# Altium PCB PCB_UDC_PlacaControle_V2.0.PcbDoc (part 1 of 7)
Units mm, origin at the board's own origin, x right, y up, seen from the top; angles counter-clockwise.
Board outline 161.76 x 100.25 mm, 6 copper layers (Top Layer, GND, Signal 1, Signal 2, VCC, Bottom Layer); 548 components, 515 nets, 2193 pads, 1225 vias.
Unrouted connection lines stored in the file: 7.
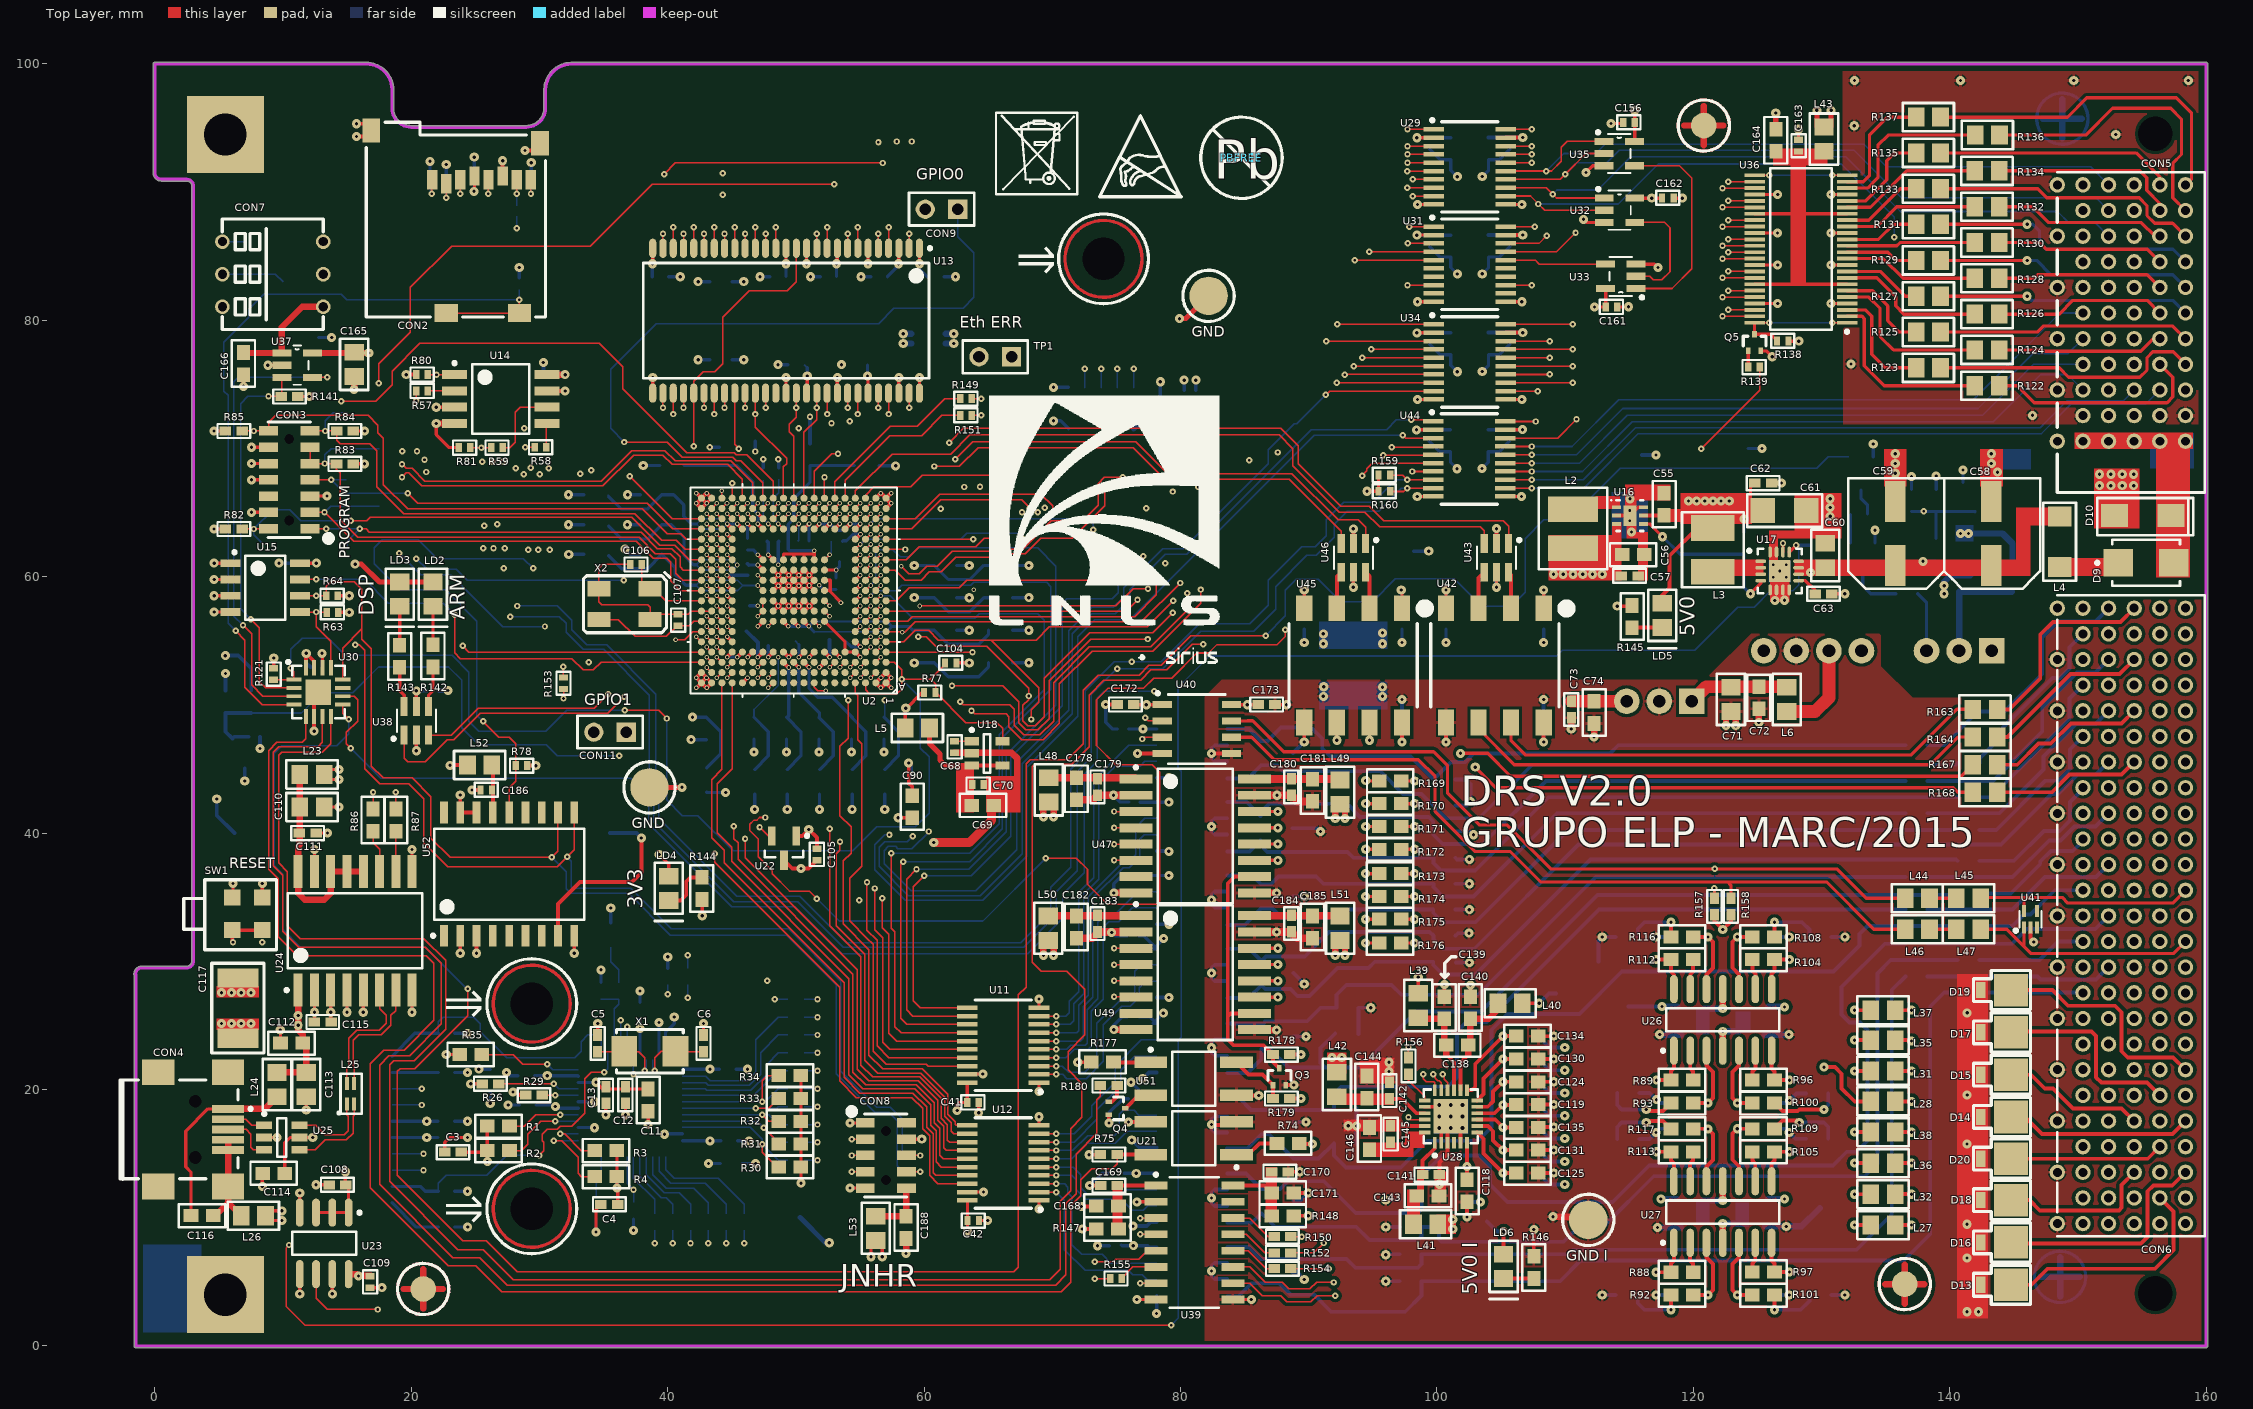
[diagram p0: Top Layer view]
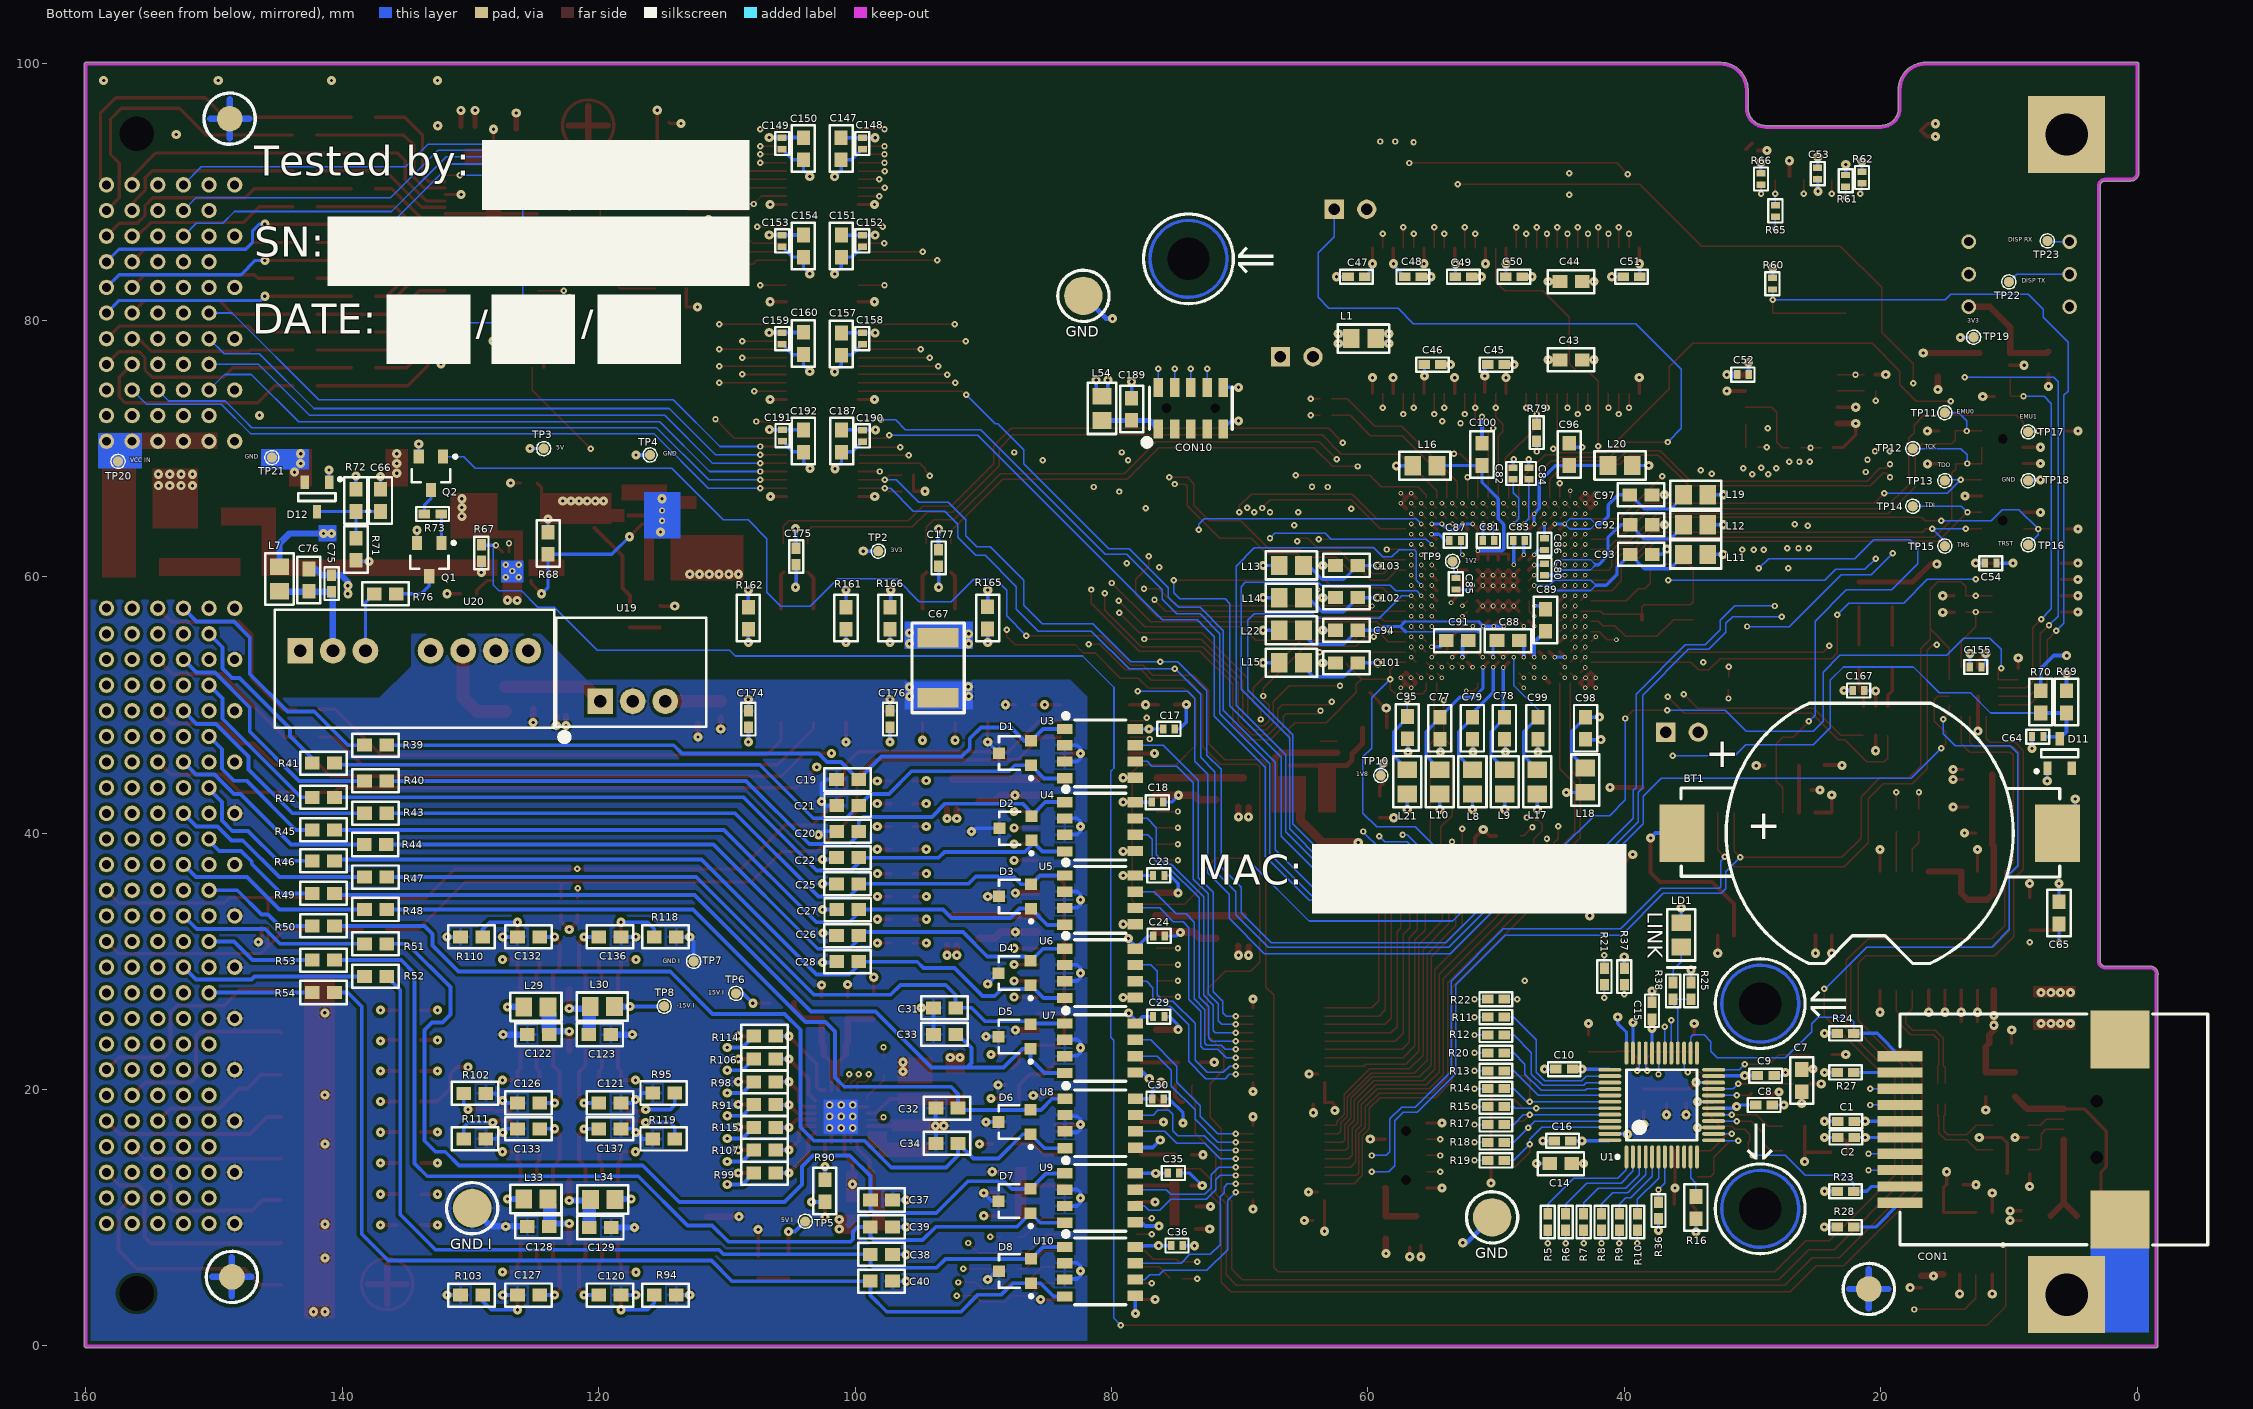
[diagram p1: Bottom Layer view, seen from below]
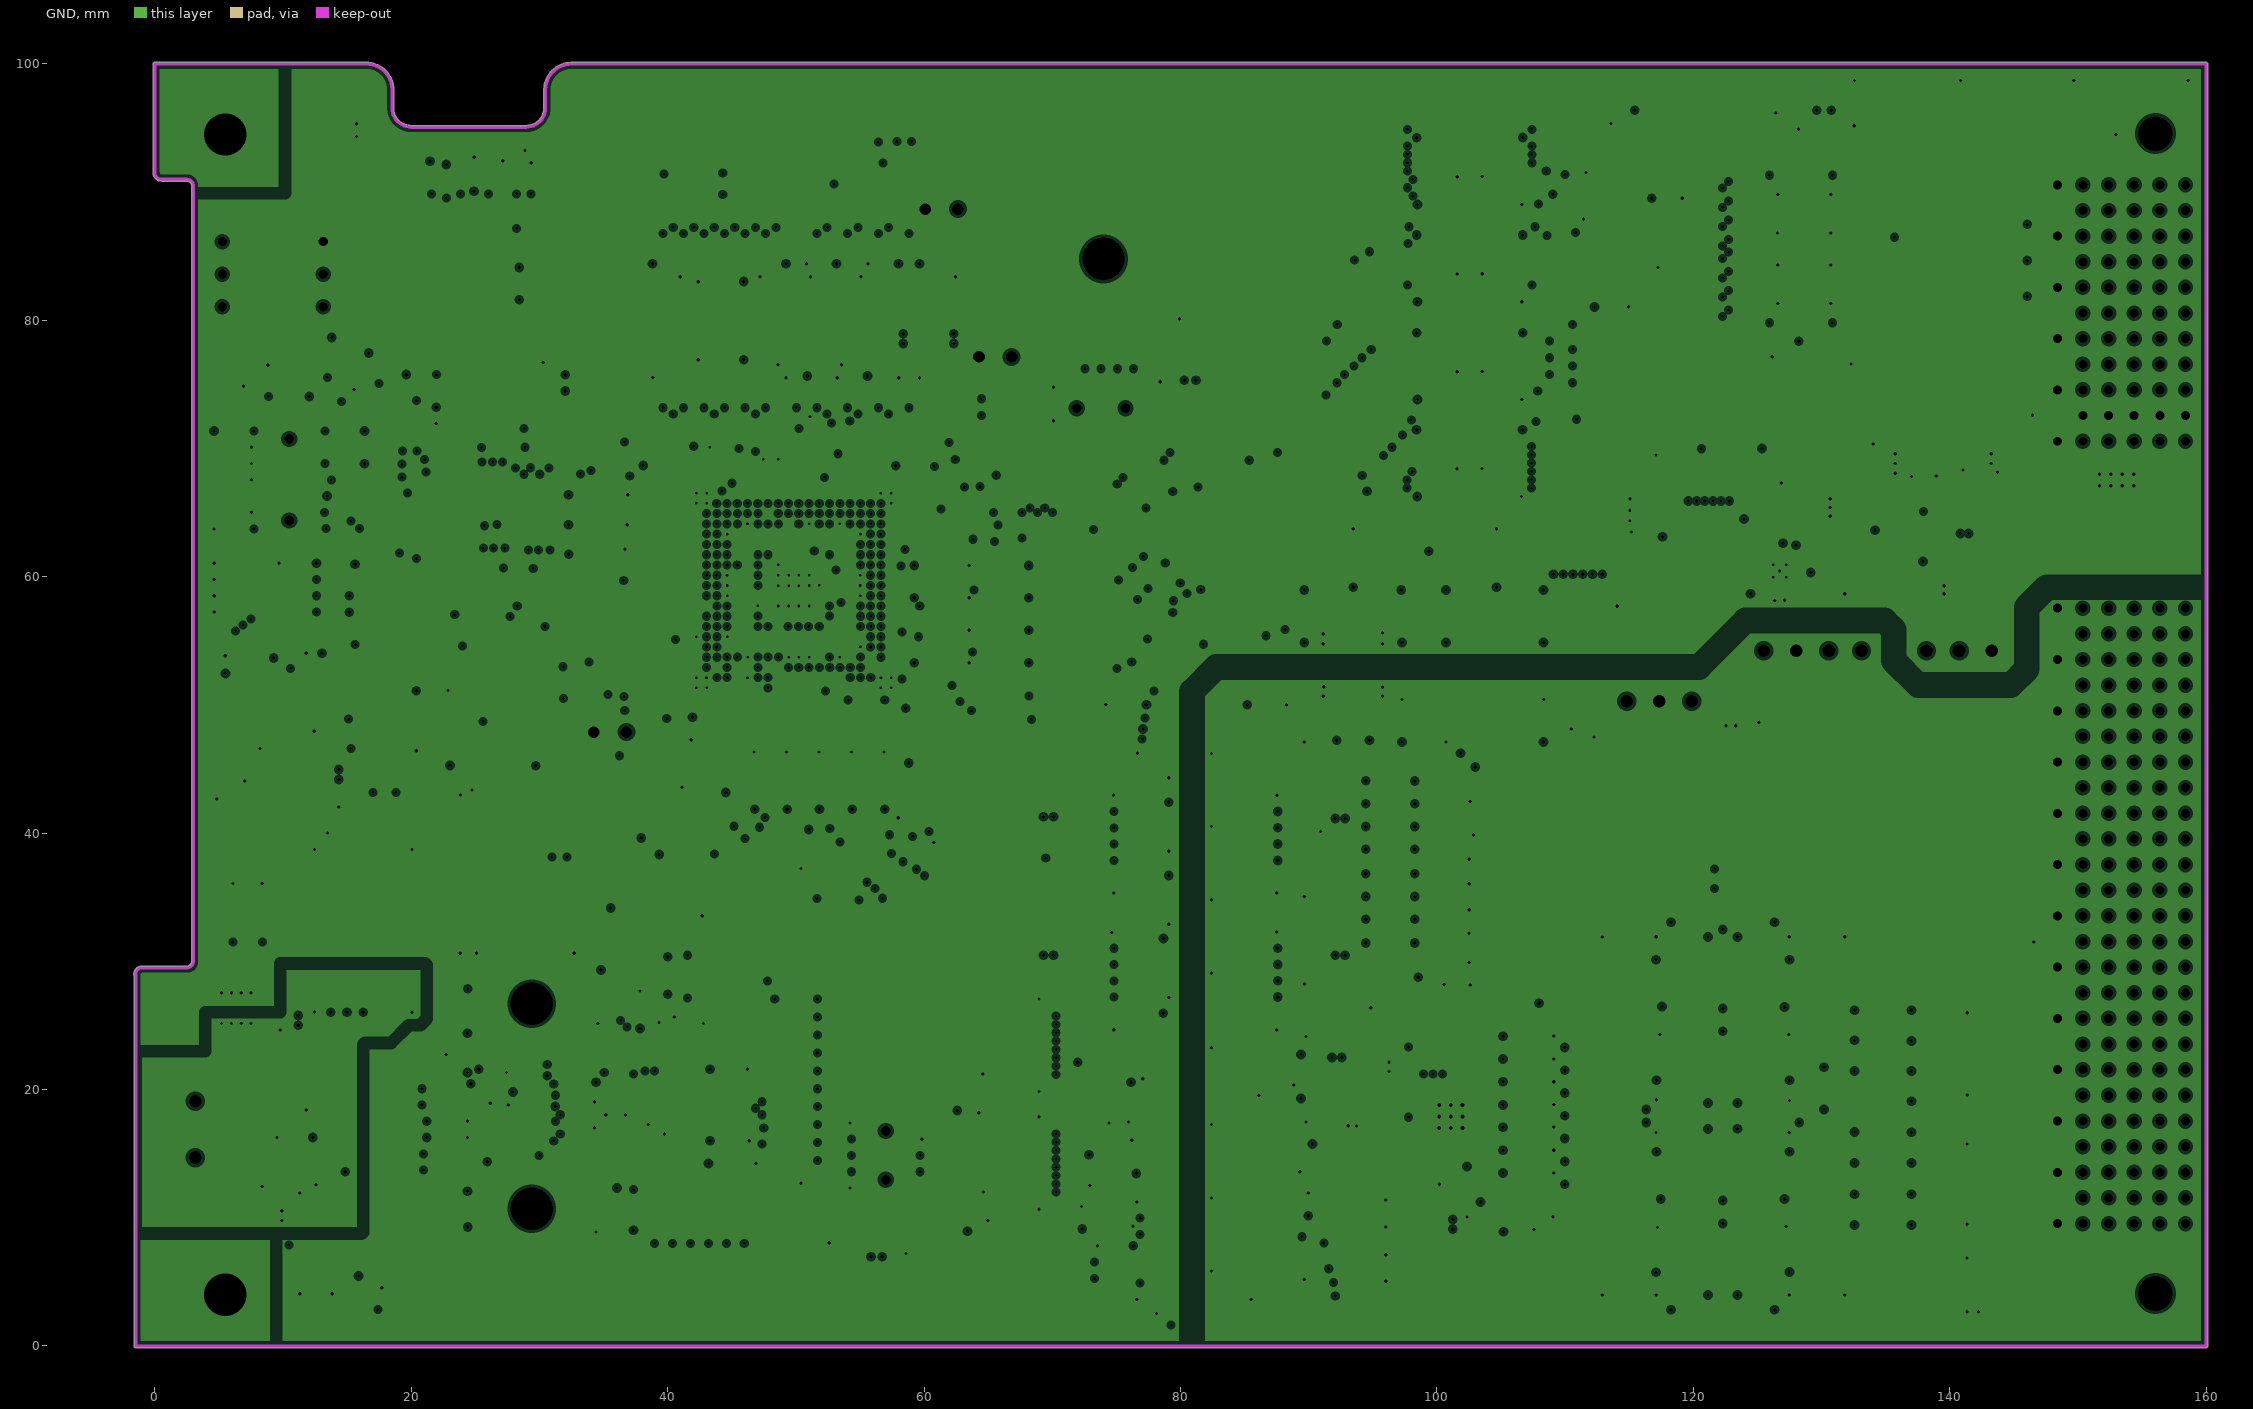
[diagram p2: GND, clearances drawn from the general rule]
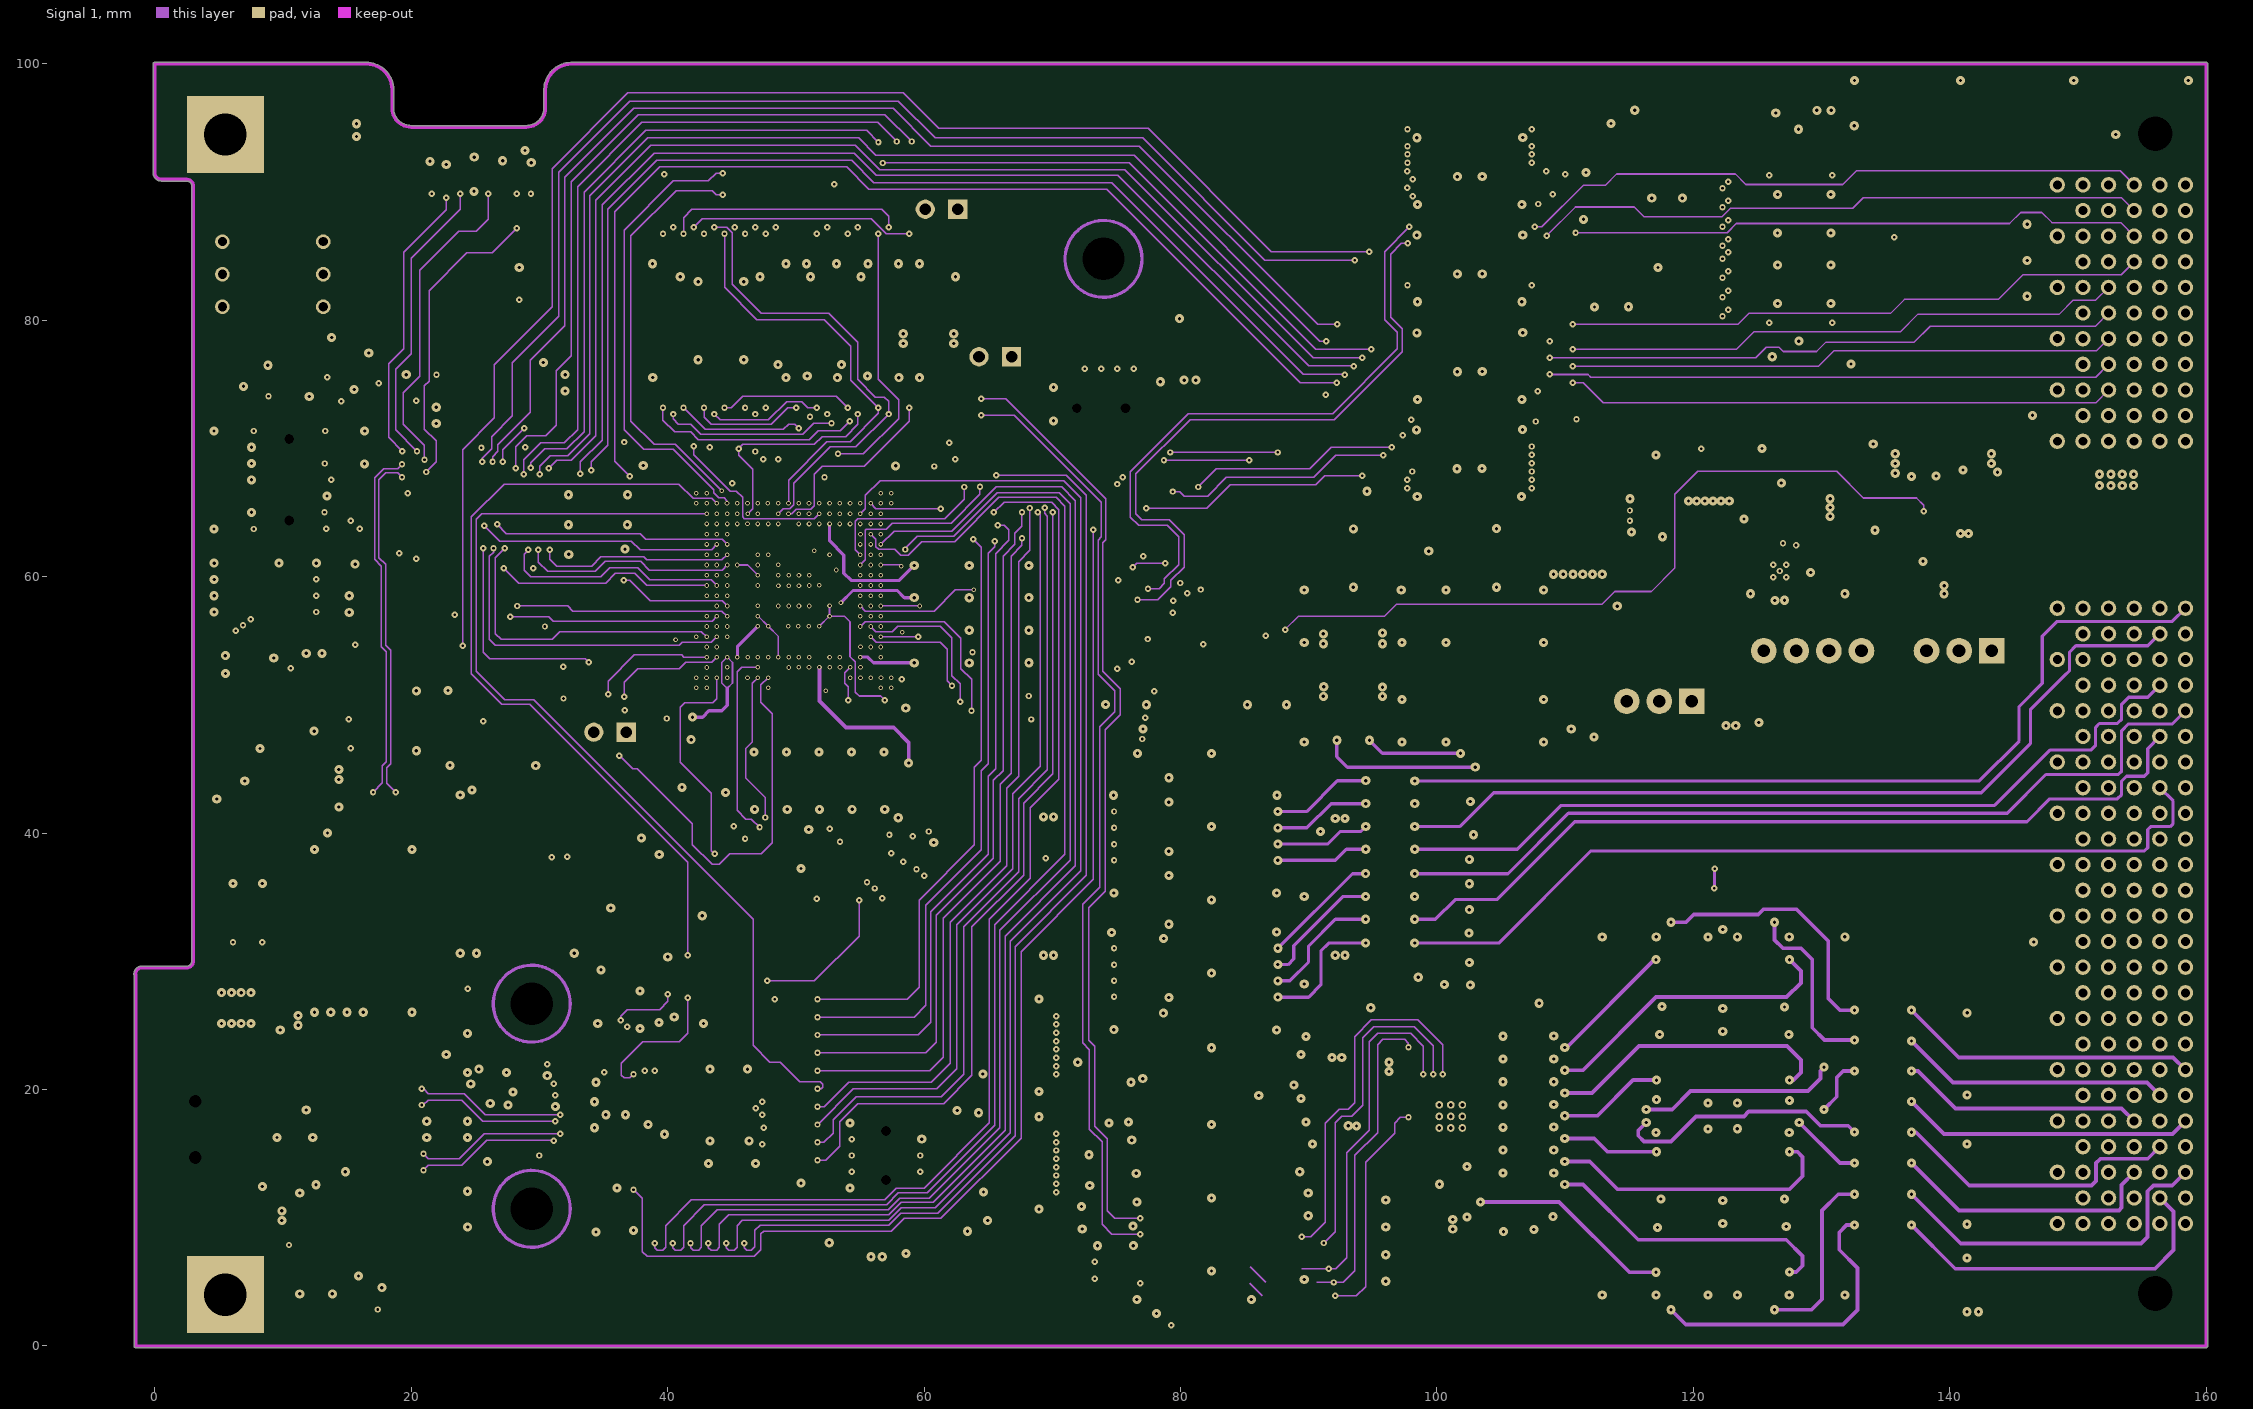
[diagram p3: Signal 1]